# KiCad board frontpanel.kicad_pcb

Outline 150 x 100 mm; copper layers: Top, Bottom. Coordinates in mm from the lower left corner of the outline.
Outline path: 0,95 0,5 arc(1.46,1.46) 5,0 145,0 arc(148.54,1.46) 150,5 150,95 arc(148.54,98.54) 145,100 5,100 arc(1.46,98.54) 0,95

## Placement (name value [footprint] x y rotation side)
C1  4u7F  [C0805]  41 29 90 bottom
C2  4u7F  [C0805]  51 29 270 bottom
C3  1uF  [C0805]  7.1 17.3 180 bottom
C4  1uF  [C0805]  13.2 24 0 bottom
C5  1uF  [C0805]  19 11.7 180 bottom
C6  10uF  [C0805]  18.4 18.1 0 bottom
C7  100nF  [C0805]  22.5 18.1 180 bottom
C8  10nF  [C0805]  68.5 33.5 270 bottom
C9  10nF  [C0805]  56.5 33.5 270 bottom
C10  10nF  [C0805]  93.5 33.5 270 bottom
C11  10nF  [C0805]  81.5 33.5 270 bottom
CON1  USB-A-stacked  [USB-A-Stacked]  11.5 30 0 top
CON2  USB-A-stacked  [USB-A-Stacked]  138.5 50 0 top
CON3  USB-A-stacked  [USB-A-Stacked]  138.5 30 0 top
D1  PowerGood  [LED-0805]  5 77.9 0 top
D2  MainsOn  [LED-0805]  5 90.1 0 top
D3  LoadOn  [LED-0805]  113 22 0 top
D4  Charged  [LED-0805]  13.2 18.8 0 top
D5  Charging  [LED-0805]  13.2 15.6 0 top
D6  DIODE  [DO-221BC]  105.01 16.86 180 bottom
D7  DIODE  [DO-221BC]  124.06 14.06 270 bottom
D8  DIODE  [Diode-MiniMELF_Handsoldering]  113.9 41.1 180 bottom
D9  DIODE  [Diode-MiniMELF_Handsoldering]  123.5 41.1 180 bottom
ENC1  -  [RotaryEncoder]  62.5 38 0 top
ENC2  -  [RotaryEncoder]  87.5 38 0 top
F1  FUSE  [C1812]  73 20.5 180 bottom
F2  FUSE  [C1812]  54 20.5 180 bottom
F3  FUSE  [C1812]  35 20.5 180 bottom
JP1  JUMPER3  [Pin_Proto_Straight_1x03]  39.73 36.8 180 top
JP2  JUMPER  [Pin_Proto_Straight_1x02]  118.8 46.1 180 bottom
K1  TERMINAL  [terminal_3p5mm_3pin]  138.58 16.32 90 bottom
LOGO  -  [ruum42_14x14mm]  132 96.2 0 top
LOGO3  -  [LOGO3]  2.5 63 0 top
P1  INPUT_TERMINAL  [terminal_3p5mm_8pin]  22.5 51.5 90 bottom
P2  MH  [MountingHole_3mm]  5 5 0 top
P3  MH  [MountingHole_3mm]  145 5 0 top
P4  MH  [MountingHole_3mm]  5 70 0 top
P5  MH  [MountingHole_3mm]  145 70 0 top
P6  CONN_2  [Pin_Proto_Straight_1x02]  136.19 79.01 0 bottom
P7  CONN_2  [Pin_Proto_Straight_1x02]  141.27 79.01 180 bottom
P8  -  [BindingPost]  75 10 180 bottom
P9  OnOffSwitch  [RockerSwitch]  22.5 84.9 0 top
P10  -  [BindingPost]  113.1 10 180 bottom
P11  -  [LoadSwitch]  113 30 0 top
P12  CONN_2  [Pin_Proto_Straight_1x02]  103.23 30.19 270 top
P13  -  [BindingPost]  55.95 10 180 bottom
P14  -  [BindingPost]  36.9 10 180 bottom
P15  -  [BindingPost]  94.05 10 180 bottom
P16  CONN_2  [JST-PH-2-THM]  19 9.2 0 top
P17  -  [NHD-1.69-160128UGC3]  75 73 0 top
R1  1K  [R0805]  5 77.9 180 bottom
R2  1K  [R0805]  5 90.1 180 bottom
R3  10R 10W  [R_ceramic_48x9p5x9mm]  39.73 68.29 90 bottom
R4  270  [R0805]  13.2 18.8 180 bottom
R5  270  [R0805]  13.2 15.6 180 bottom
R6  1K  [R0805]  13.2 21.4 0 bottom
R7  10K  [R0805]  23.75 11.95 270 bottom
R8  10K  [R0805]  62.5 43 270 bottom
R9  10K  [R0805]  87.5 43 270 bottom
R10  10K  [R0805]  101 63.5 270 bottom
R11  10K  [R0805]  101 85.5 270 bottom
R12  10K  [R0805]  49 85.5 270 bottom
R13  10K  [R0805]  49 63.5 270 bottom
R14  10K  [R0805]  65 34.5 180 bottom
R15  10K  [R0805]  60 34.5 180 bottom
R16  10K  [R0805]  90 34.5 180 bottom
R17  10K  [R0805]  85 34.5 180 bottom
R18  1K  [R0805]  126.34 45.43 90 bottom
R19  10K  [R0805]  64.5 38.5 90 bottom
R20  10K  [R0805]  60.5 38.5 90 bottom
R21  10K  [R0805]  89.75 38.5 90 bottom
R22  10K  [R0805]  85.5 38.5 90 bottom
R23  200  [R0805]  111.2 45.2 270 bottom
S1  TAC_SWITCH  [TACTILE-PTH]  101 63.5 90 top
S2  TAC_SWITCH  [TACTILE-PTH]  101 85.5 90 top
S3  TAC_SWITCH  [TACTILE-PTH]  49 85.5 90 top
S4  TAC_SWITCH  [TACTILE-PTH]  49 63.5 90 top
U1  TPS2513  [SOT23-6]  11.5 31.5 270 bottom
U2  TPS2513  [SOT23-6]  138.5 51.5 270 bottom
U3  TPS2513  [SOT23-6]  138.5 31.5 270 bottom
U4  AZ1117  [SOT223]  46 31 180 bottom
U5  esp8266Feather  [featherEsp]  117 73.5 270 bottom
U6  MCP73833  [MSOP10]  19 14.9 90 bottom
U7  AD5274  [MSOP10]  19 21 90 bottom
U8  MCP23017  [SOIC28W]  102.5 43 180 bottom

## Library data of the parts
D8 D9 = -: Field4: A; Field5: K
P16 = -: Field4: -

## Footprints (pads in the part's own frame, mm; a bottom-side part is the same pattern mirrored in y, then rotated)
BindingPost
  round 11.2 smd: 1(0,0)
  rect 4x4 smd: 1(0,6)
C0805
  rect 1.1x1.4 smd: 1(-0.998,0) 2(0.998,0)
C1812
  rect 1.801x3.701 smd: 1(2.05,0) 2(-2.05,0)
Diode-MiniMELF_Handsoldering
  rect 3.299x1.699 smd: 1(-2.54,0) 2(2.54,0)
DO-221BC
  rect 2.5x1.52 smd: 1(2.17,0)
  rect 4.1x2.2 smd: 2(-2.05,0)
featherEsp
  round 1.524 hole 0.762: 1(19.05,10.16) 2(16.51,10.16) 3(13.97,10.16) 4(11.43,10.16) 5(8.89,10.16) 6(6.35,10.16) 7(3.81,10.16) 8(1.27,10.16) 9(-1.27,10.16) 10(-3.81,10.16) 11(-6.35,10.16) 12(-8.89,10.16) 13(-19.05,-10.16) 14(-16.51,-10.16) 15(-13.97,-10.16) 16(-11.43,-10.16) 17(-8.89,-10.16) 18(-6.35,-10.16) 19(-3.81,-10.16) 20(-1.27,-10.16) 21(1.27,-10.16) 22(3.81,-10.16) 23(6.35,-10.16) 24(8.89,-10.16) 25(11.43,-10.16) 26(13.97,-10.16) 27(16.51,-10.16) 28(19.05,-10.16)
JST-PH-2-THM
  round 1.422 hole 0.798: 1(-0.998,0) 2(0.998,0)
LED-0805
  rect 1.199x1.199 smd: 1(-1.049,0) 2(1.049,0)
LoadSwitch
  round 6.35 hole 6.35: 1(0,0)
MountingHole_3mm
  round 3 hole 3: (0,0)
MSOP10
  rect 0.249x0.998 smd: 1(-0.998,-2.111) 2(-0.498,-2.111) 3(0,-2.111) 4(0.498,-2.111) 5(0.998,-2.111) 6(0.998,2.111) 7(0.498,2.111) 8(0,2.111) 9(-0.498,2.111) 10(-0.998,2.111)
NHD-1.69-160128UGC3
  round 1.5 hole 0.8: 1(-11.43,22.5) 2(-11.43,19.96) 3(-8.89,22.5) 4(-8.89,19.96) 5(-6.35,22.5) 6(-6.35,19.96) 7(-3.81,22.5) 8(-3.81,19.96) 9(-1.27,22.5) 10(-1.27,19.96) 11(1.27,22.5) 12(1.27,19.96) 13(3.81,22.5) 14(3.81,19.96) 15(6.35,22.5) 16(6.35,19.96) 17(8.89,22.5) 18(8.89,19.96) 19(11.43,22.5) 20(11.43,19.96)
Pin_Proto_Straight_1x02
  round 2.032 hole 1.016: 1(-1.27,0)
  oval 2.032x2.032 hole 1.016: 2(1.27,0)
Pin_Proto_Straight_1x03
  round 2.032 hole 1.016: 1(-2.54,0) 2(0,0) 3(2.54,0)
R0805
  rect 1.1x1.4 smd: 1(-0.998,0) 2(0.998,0)
R_ceramic_48x9p5x9mm
  round 1.8 hole 0.9: 1(-29,0) 2(29,0)
RockerSwitch
  round 18.2 hole 18.2: 1(0,0)
RotaryEncoder
  round 1.524 hole 0.762: 1(-2.5,-7) 2(0,-7) 3(2.5,-7) 4(-2.5,7) 5(2.5,7)
  rect 2.3x2.9 hole 2.1x2.7: 6(-5.6,0) 7(5.6,0)
SOIC28W
  rect 1.999x0.599 smd: 1(-4.699,8.255) 2(-4.699,6.985) 3(-4.699,5.715) 4(-4.699,4.445) 5(-4.699,3.175) 6(-4.699,1.905) 7(-4.699,0.635) 8(-4.699,-0.635) 9(-4.699,-1.905) 10(-4.699,-3.175) 11(-4.699,-4.445) 12(-4.699,-5.715) 13(-4.699,-6.985) 14(-4.699,-8.255) 15(4.699,-8.255) 16(4.699,-6.985) 17(4.699,-5.715) 18(4.699,-4.445) 19(4.699,-3.175) 20(4.699,-1.905) 21(4.699,-0.635) 22(4.699,0.635) 23(4.699,1.905) 24(4.699,3.175) 25(4.699,4.445) 26(4.699,5.715) 27(4.699,6.985) 28(4.699,8.255)
SOT23-6
  rect 0.549x1.199 smd: 1(-0.95,-1.298) 2(0,-1.298) 3(0.95,-1.298) 4(0.95,1.298) 5(0,1.298) 6(-0.95,1.298)
SOT223
  rect 1.219x2.235 smd: 1(-2.311,-3.099) 2(0,-3.099) 3(2.311,-3.099)
  rect 3.599x2.2 smd: 4(0,3.099)
TACTILE-PTH
  round 1.88 hole 1.016: 1(-3.251,2.261) 2(3.251,2.261) 3(-3.251,-2.261) 4(3.251,-2.261)
terminal_3p5mm_3pin
  round 1.9 hole 1.1: 1(-3.5,0) 2(0,0) 3(3.5,0)
terminal_3p5mm_8pin
  round 1.9 hole 1.1: 1(-12.25,0) 2(-8.75,0) 3(-5.25,0) 4(-1.75,0) 5(1.75,0) 6(5.25,0) 7(8.75,0) 8(12.25,0)
USB-A-Stacked
  round 1.5 hole 0.92: 1(-3.5,5.58) 2(-1,5.58) 3(1,5.58) 4(3.5,5.58) 5(-3.5,-2.92) 6(-1,-2.92) 7(1,-2.92) 8(3.5,-2.92)
  round 3.4 hole 2.3: 9(-6.57,3.4) 10(-6.57,-3.4) 11(6.57,3.4) 12(6.57,-3.4)

## Nets
3.3V: F3.1 P1.2
3V3Reg: C2.1 C6.1 C7.1 D8.2 P12.1 P17.2 R8.2 R9.2 R10.1 R11.1 R12.1 R13.1 R19.2 R20.2 R21.2 R22.2 U4.2 U4.4 U7.1 U7.7 U7.10 U8.9 U8.18
5V: C1.1 C3.1 CON1.1 CON1.5 CON2.1 CON2.5 CON3.1 CON3.5 F2.1 JP1.3 JP2.1 P1.3 R4.1 R5.1 U1.5 U2.5 U3.5 U4.3 U6.1 U6.2
5VSB: P1.7 R2.1
12V: F1.1 JP1.1 P1.4
-5V: P1.5
-12V: P1.6
GND: C1.2 C2.2 C3.2 C4.1 C5.2 C6.2 C7.2 C8.2 C9.2 C10.2 C11.2 CON1.4 CON1.8 CON1.9 CON1.10 CON1.11 CON1.12 CON2.4 CON2.8 CON2.9 CON2.10 CON2.11 CON2.12 CON3.4 CON3.8 CON3.9 CON3.10 CON3.11 CON3.12 D1.2 D2.2 D6.1 D9.1 ENC1.2 ENC1.4 ENC1.6 ENC1.7 ENC2.2 ENC2.4 ENC2.6 ENC2.7 K1.3 P1.1 P15.1 P16.1 P17.1 P17.5 P17.6 P17.7 P17.8 P17.9 P17.10 P17.11 P17.12 P17.15 P17.18 P17.19 R3.2 R6.1 R7.2 R18.2 S1.1 S1.2 S2.1 S2.2 S3.1 S3.2 S4.1 S4.2 U1.2 U2.2 U3.2 U4.1 U5.16 U6.5 U7.4 U7.6 U8.10 U8.15 U8.16 U8.17
A1: C9.1 R15.2 U8.22
A2: C11.1 R17.2 U8.25
ADJ: D6.2 D7.1 K1.1 P10.1
B1: C8.1 R14.1 U8.21
B2: C10.1 R16.1 U8.24
But1: R10.2 S1.3 S1.4 U8.1
But2: R11.2 S2.3 S2.4 U8.2
But3: R12.2 S3.3 S3.4 U8.3
But4: R13.2 S4.3 S4.4 U8.4
CS: P17.17 U5.7
loadOn: D3.2 D8.1 D9.2 R18.1 R23.2
MOSI: P17.13 U5.4
PG: P1.8 R1.1
RES: P17.16 U5.8
RS: P17.4 U5.9
Rx: P7.2 U5.26
SCL: P6.2 U5.2 U7.9 U8.12
SCLK: P17.14 U5.3
SDA: P6.1 U5.1 U7.8 U8.13
SW1: ENC1.5 R8.1 U8.23
SW2: ENC2.5 R9.1 U8.26
Tx: P7.1 U5.27
Net-(C4-Pad2): C4.2 U7.5
Net-(C5-Pad1): C5.1 P16.2 U6.9 U6.10
Net-(CON1-Pad2): CON1.2 U1.6
Net-(CON1-Pad3): CON1.3 U1.1
Net-(CON1-Pad6): CON1.6 U1.4
Net-(CON1-Pad7): CON1.7 U1.3
Net-(CON2-Pad2): CON2.2 U2.6
Net-(CON2-Pad3): CON2.3 U2.1
Net-(CON2-Pad6): CON2.6 U2.4
Net-(CON2-Pad7): CON2.7 U2.3
Net-(CON3-Pad2): CON3.2 U3.6
Net-(CON3-Pad3): CON3.3 U3.1
Net-(CON3-Pad6): CON3.6 U3.4
Net-(CON3-Pad7): CON3.7 U3.3
Net-(D1-Pad1): D1.1 R1.2
Net-(D2-Pad1): D2.1 R2.2
Net-(D3-Pad1): D3.1 P12.2
Net-(D4-Pad1): D4.1 R4.2
Net-(D4-Pad2): D4.2 U6.4
Net-(D5-Pad1): D5.1 R5.2
Net-(D5-Pad2): D5.2 U6.3
Net-(D7-Pad2): D7.2 K1.2
Net-(ENC1-Pad1): ENC1.1 R15.1 R20.1
Net-(ENC1-Pad3): ENC1.3 R14.2 R19.1
Net-(ENC2-Pad1): ENC2.1 R17.1 R22.1
Net-(ENC2-Pad3): ENC2.3 R16.2 R21.1
Net-(F1-Pad2): F1.2 P8.1
Net-(F2-Pad2): F2.2 P13.1
Net-(F3-Pad2): F3.2 P14.1
Net-(JP1-Pad2): JP1.2 R3.1
Net-(JP2-Pad2): JP2.2 U5.10
Net-(P9-Pad1): P9.1
Net-(P11-Pad1): P11.1
Net-(P17-Pad3): P17.3
Net-(P17-Pad20): P17.20
Net-(R6-Pad2): R6.2 U7.3
Net-(R7-Pad1): R7.1 U6.8
Net-(R23-Pad1): R23.1 U8.5
Net-(U5-Pad5): U5.5
Net-(U5-Pad6): U5.6
Net-(U5-Pad11): U5.11
Net-(U5-Pad12): U5.12
Net-(U5-Pad13): U5.13
Net-(U5-Pad14): U5.14
Net-(U5-Pad15): U5.15
Net-(U5-Pad17): U5.17
Net-(U5-Pad18): U5.18
Net-(U5-Pad19): U5.19
Net-(U5-Pad20): U5.20
Net-(U5-Pad21): U5.21
Net-(U5-Pad22): U5.22
Net-(U5-Pad23): U5.23
Net-(U5-Pad24): U5.24
Net-(U5-Pad25): U5.25
Net-(U5-Pad28): U5.28
Net-(U6-Pad6): U6.6 U7.2
Net-(U6-Pad7): U6.7
Net-(U8-Pad6): U8.6
Net-(U8-Pad7): U8.7
Net-(U8-Pad8): U8.8
Net-(U8-Pad11): U8.11
Net-(U8-Pad14): U8.14
Net-(U8-Pad19): U8.19
Net-(U8-Pad20): U8.20
Net-(U8-Pad27): U8.27
Net-(U8-Pad28): U8.28

## Via types
v1: diameter 0.6, hole 0.4, Top to Bottom, 31 vias

## Routing (per net, layer and track width the routed paths; a pad name or vN(x,y) marks a point on that pad's centre or on a via; arc(x,y) is an arc through that point)
3.3V: length 30.8
  Bottom w1.8: P1.2 29.75,42.75 32.95,39.55 F3.1
3V3Reg: length 353.5
  Top w0.25: v1(22.96,22.19) 23.09,22.06 44.87,22.06 46.01,23.21 v1(46.01,26.06)
  Top w0.5: v1(101.2,47.34) 101.07,47.46 v1(101.07,66.26) v1(101.07,88.23)
  Bottom w0.25: 19,20 19,21 19.5,21.5 U7.7 22.27,21.5 v1(22.96,22.19) ; 19,20 U7.10 ; 19,20 U7.1 16.89,18.41 17.2,18.1 C6.1 ; U7.10 22.6,20 23.5,19.1 C7.1 ; U7.10 21.3,20 ; v1(46.01,26.06) 46,26.08 U4.2
  Bottom w0.5: 89.75,41.25 93.75,41.25 96.44,38.56 U8.18 ; 111.35,41.09 D8.2 111.35,41.09 ; 111.35,41.09 U8.9 104.5,41.09 ; C2.1 52.11,30 56.24,25.87 96.5,25.87 102.09,31.46 P12.1 103.23,39.84 104.48,41.09 104.5,41.09 ; 104.5,41.09 104.5,41.11 101.2,44.42 v1(101.2,47.34) ; v1(101.07,66.26) 101,66.19 R10.1 ; v1(101.07,88.23) 101,88.16 R11.1
  Bottom w1: 42,64.5 42,64.5 R13.1 ; 42,86.5 42,86.5 R12.1 ; 46,42 46,42 R8.2 ; U4.2 U4.4 49.4,34.1 51,32.5 C2.1 ; R9.2 86,42 85.5,41.5 R22.2 R21.2 89.75,41.25 89,42 R9.2 ; R9.2 R8.2 ; R8.2 63.5,42 64.5,41 R19.2 R20.2 60.5,41 61.5,42 R8.2
  Bottom w1.8: P17.2 44.96,92.96 42,90 42,54 46,50 U4.4
5V: length 300.6
  Bottom w0.25: R5.1 14.2,14.7 14.5,14.4 U6.2 U6.1
  Bottom w0.5: U2.5 135,51.5 ; U1.5 8,31.5 ; U3.5 135,31.5
  Bottom w1: U4.3 43.59,28 C1.1 37.19,28 37.19,28 37.5,28 37.19,28 ; 14.2,17.3 14.1,17.3 14.2,17.3 ; 14.2,17.3 R5.1 ; 14.2,17.3 C3.1 8,17.4 CON1.5 ; 14.2,17.3 R4.1
  Bottom w1.8: CON2.1 135,50 ; CON1.5 CON1.1 8,41 13.25,46.25 P1.3 34.75,46.25 37.19,43.81 JP1.3 37.19,26.81 43.5,20.5 F2.1 51.95,22.6 53.44,24.1 80.11,24.1 84.31,19.91 84.31,5.81 87.99,2.12 133.71,2.12 144.25,12.67 144.25,20.92 141.58,23.59 137.39,23.59 135,25.98 CON3.5 CON3.1 CON2.5 135,50 ; 135,50 123.8,50 120.07,46.27 JP2.1
5VSB: length 40
  Bottom w1: R2.1 6,84.5 25.6,64.9 25.6,62 23.85,60.25 P1.7
12V: length 174.5
  Bottom w1.8: F1.1 67.5,20.5 65.5,18.5 65.5,6 60.8,1.3 10.96,1.3 9.69,2.57 9.69,7.84 5.03,12.5 5,12.5 1.5,16 1.5,41.5 9.75,49.75 P1.4 38.75,49.75 42.27,46.23 JP1.1
GND: length 175.8
  Bottom w0.25: 19.4,15.8 19.3,15.8 19.4,15.9 U6.5 ; v1(17.95,21.49) 17.94,21.5 U7.4 ; v1(19.92,22.13) 20.05,22 U7.6
  Bottom w0.5: 141,51.5 142,52.5 CON2.4 ; 141,51.5 142,50.5 CON2.8 ; 141,51.5 U2.2 ; 141,31.5 142,32.5 CON3.4 ; 141,31.5 142,30.5 CON3.8 ; 141,31.5 U3.2 ; 14.5,31.5 15,32 CON1.4 ; 14.5,31.5 15,31 CON1.8 ; 14.5,31.5 U1.2 ; v1(108.69,39.84) 108.67,39.83 U8.10 ; C10.2 95,32.5 v1(96,33.5) 97.25,34.75 U8.15 U8.16 U8.17
  Bottom w1: ENC2.6 80.5,38 79.5,37 79.5,33 80,32.5 C11.2 ; 131.53,46.2 CON2.10 ; CON2.10 131.76,46.43 R18.2 ; CON2.10 131.93,43.65 129.38,41.1 D9.1 126.43,41.1 ; CON1.10 6.1,25.43 C3.2 ; CON1.8 12.2,24.28 C4.1 R6.1 ; ENC1.2 62.5,29.9 63.22,29.18 66.91,29.18 68.5,30.77 C8.2 ; v1(48.24,26) 48.31,26.08 U4.1 48.41,28 C2.2 ; v1(41,31.33) 41,31.33 C1.2 ; v1(23.72,9.68) 23.75,9.71 R7.2 ; v1(57.89,33.11) 57.28,32.5 C9.2 ; C7.2 C6.2 19.4,14.2 18,12.8 C5.2 P16.1
  Bottom w1.8: 104.03,19.82 102.84,18.62 D6.1 ; 104.03,19.82 94.89,19.82 94.05,18.98 P15.1 P15.1 ; 104.03,19.82 K1.3
A1: length 65.9
  Bottom w0.5: U8.22 99.37,43.64 101,42 101,33.5 95.5,28 60,28 58,30 58,31.5 59,32.5 R15.2
  Bottom w1: R15.2 59,34.5 C9.1
A2: length 22.8
  Top w0.5: v1(90.5,43) v1(84,36.5)
  Bottom w0.5: v1(90.5,43) 94.94,47.44 U8.25 ; v1(84,36.5) 84,36.5 R17.2
  Bottom w1: R17.2 84,34.5 C11.1
ADJ: length 47.8
  Bottom w1.8: 114.1,17 P10.1 ; P10.1 112.24,16.86 D6.2 117.71,16.86 122.66,11.9 124.04,11.9 D7.1 137.66,11.89 K1.1 ; P10.1 P10.1
B1: length 48.4
  Bottom w0.5: U8.21 99.13,42.36 100,41.5 100,34 95,29 80,29 74.5,34.5 C8.1
  Bottom w1: C8.1 68.5,34.5 R14.1
B2: length 16.9
  Top w0.5: v1(95.5,37.5) v1(95.5,41.5)
  Bottom w0.5: v1(95.5,37.5) 95.5,36 94,34.5 C10.1 93.5,34.5 ; v1(95.5,41.5) 95.5,45 96.68,46.17 U8.24
  Bottom w1: C10.1 93.5,34.5 R16.1
But1: length 21.1
  Bottom w0.5: S1.3 103.26,53.15 105.15,51.25 U8.1
  Bottom w1: 103.26,62.5 103.5,62.5 103.26,62.5 103.26,62.5 R10.2
  Bottom w1.8: S1.3 S1.4
But2: length 50.1
  Bottom w0.5: S2.3 103.26,77.34 96.5,70.58 96.5,58.39 104.9,49.98 U8.2
  Bottom w1: 103.26,84.5 103,84.5 103.26,84.5 103.26,84.5 R11.2
  Bottom w1.8: S2.3 S2.4
But3: length 94.1
  Bottom w0.5: U8.3 104.78,48.72 99,54.5 54,54.5 53.5,55 53.5,80.5 51.75,82.25 S3.3
  Bottom w1: 51.26,84.5 51,84.5 51.26,84.5 51.26,84.5 R12.2
  Bottom w1.8: S3.3 S3.4
But4: length 73.4
  Bottom w0.5: U8.4 104.06,47.44 98.5,53 53.5,53 51.26,55.24 S4.3
  Bottom w1: 51.26,62.5 51.5,62.5 51.26,62.5 51.26,62.5 R13.2
  Bottom w1.8: S4.3 S4.4
CS: length 51.3
  Bottom w0.5: U5.7 110.5,73.35 110.5,88.5 102,97 85,97 83.89,95.89 P17.17
loadOn: length 40.5
  Top w1: v1(115.29,22.06) 115.23,22 D3.2
  Bottom w1: 116.46,41.12 D8.1 ; D8.1 113.34,44.2 R23.2 ; D8.1 D9.2 ; v1(115.29,22.06) 120.96,27.73 D9.2 ; D9.2 124.29,44.43 R18.1
MOSI: length 66.6
  Bottom w0.5: U5.4 111.5,66.73 111.5,89 102.5,98 81,98 78.81,95.81 P17.13 78.81,95.56
PG: length 23.6
  Bottom w1: R1.1 6,75.8 18.05,63.75 P1.8
RES: length 48.3
  Bottom w0.5: 90,94.25 82.5,94.25 81.35,93.1 P17.16 ; 90,94.25 90.25,94.25 ; 90,94.25 103.05,94.25 109.45,87.85 109.45,74.84 U5.8
RS: length 57.8
  Bottom w0.5: U5.9 108.44,76.36 108.44,87.09 104.12,91.41 67.67,91.41 66.11,92.96 P17.4 66.11,92.89
Rx: length 25.8
  Bottom w0.5: 127.16,59.58 U5.26 128.73,59.53 130,60.8 130,67 140,77 P7.2
SCL: length 191.4
  Top w0.25: v1(23.03,20.48) 23.22,20.67 89.58,20.67 105.01,36.1 v1(105.01,37.3)
  Top w0.5: v1(105.01,37.3) 105.01,55.08 106.84,56.92 U5.2
  Bottom w0.25: v1(23.03,20.48) 23,20.5 U7.9
  Bottom w0.5: P6.2 137.46,94.64 135,97.1 124.7,97.1 121.9,94.3 121.9,72 106.89,56.99 U5.2 ; v1(105.01,37.3) 105.03,37.28 U8.12 ; U5.2 106.84,57.05 ; U5.2 107.04,56.99
SCLK: length 76.8
  Bottom w0.5: 89.5,99 80.5,99 77.5,96 77.5,94 78.54,92.96 P17.14 78.79,92.96 ; 89.5,99 90,99 ; 89.5,99 103,99 112.5,89.5 112.5,65.19 U5.3
SDA: length 186.8
  Top w0.25: v1(103.99,36.03) 89.26,21.3 v1(22.96,21.3)
  Top w0.5: v1(109.71,37.3) 109.71,52.54 107.8,54.45 U5.1
  Bottom w0.25: v1(103.99,36.03) 104.01,36.02 U8.13 ; v1(22.96,21.3) 22.66,21 U7.8
  Bottom w0.5: P6.1 134.92,93.28 133.5,94.7 125.5,94.7 124.2,93.4 124.2,71.9 106.84,54.54 U5.1 106.84,54.76 ; v1(109.71,37.3) 108.42,36.02 U8.13
SW1: length 91.1
  Top w0.5: v1(58.5,40.5) 63,45 ENC1.5
  Bottom w0.5: v1(58.5,40.5) 55.5,40.5 54.5,39.5 54.5,30.5 58,27 96,27 102,33 102,42.5 99.59,44.91 U8.23
  Bottom w1: ENC1.5 63,45 62.5,44.5 R8.1
SW2: length 12.5
  Bottom w0.5: ENC2.5 93.72,48.72 U8.26
  Bottom w1: ENC2.5 88,45 87.5,44.5 R9.1
Tx: length 30.1
  Bottom w0.5: 127.23,56.99 U5.27 129.99,56.99 132.9,59.9 132.9,66.6 142.54,76.24 P7.1
Net-(C4-Pad2): length 3.5
  Bottom w0.25: C4.2 16.2,22 U7.5
Net-(C5-Pad1): length 6.6
  Bottom w0.25: 20.51,11.7 C5.1 20.8,11.7 21.11,12.01 U6.10 U6.9
  Bottom w1: P16.2 C5.1
Net-(CON1-Pad2): length 3.3
  Bottom w0.5: CON1.2 10.2,35.28 U1.6
Net-(CON1-Pad3): length 3.3
  Bottom w0.5: CON1.3 12.8,35.28 U1.1
Net-(CON1-Pad6): length 3.6
  Bottom w0.5: CON1.6 10.2,27.38 U1.4
Net-(CON1-Pad7): length 3.6
  Bottom w0.5: CON1.7 12.8,27.38 U1.3
Net-(CON2-Pad2): length 3.3
  Bottom w0.5: CON2.2 137.2,55.28 U2.6
Net-(CON2-Pad3): length 3.3
  Bottom w0.5: CON2.3 139.8,55.28 U2.1
Net-(CON2-Pad6): length 3.6
  Bottom w0.5: CON2.6 137.2,47.38 U2.4
Net-(CON2-Pad7): length 3.6
  Bottom w0.5: CON2.7 139.8,47.38 U2.3
Net-(CON3-Pad2): length 3.3
  Bottom w0.5: CON3.2 137.2,35.28 U3.6
Net-(CON3-Pad3): length 3.3
  Bottom w0.5: CON3.3 139.8,35.28 U3.1
Net-(CON3-Pad6): length 3.6
  Bottom w0.5: CON3.6 137.2,27.38 U3.4
Net-(CON3-Pad7): length 3.6
  Bottom w0.5: CON3.7 139.8,27.38 U3.3
Net-(D1-Pad1): length 3
  Top w1: v1(2.5,77.9) D1.1
  Bottom w1: R1.2 v1(2.5,77.9)
Net-(D2-Pad1): length 3
  Top w1: v1(2.5,90.1) D2.1
  Bottom w1: R2.2 v1(2.5,90.1)
Net-(D3-Pad1): length 11.7
  Top w1: v1(110.59,22.06) 110.66,22 D3.1
  Bottom w1: v1(110.59,22.06) 109.83,22.06 103.23,28.67 P12.2
Net-(D4-Pad1): length 2.4
  Top w0.5: v1(11,18.8) D4.1
  Bottom w0.5: R4.2 v1(11,18.8)
Net-(D4-Pad2): length 5.8
  Top w0.25: v1(15.3,18.8) D4.2
  Bottom w0.25: v1(15.3,18.8) 15.8,18.8 16,18.6 16,15.6 16.2,15.4 U6.4
Net-(D5-Pad1): length 2.2
  Top w0.5: v1(11.1,15.6) D5.1
  Bottom w0.5: R5.2 v1(11.1,15.6)
Net-(D5-Pad2): length 2.9
  Top w0.25: v1(15.3,15.6) D5.2
  Bottom w0.25: v1(15.3,15.6) 16,14.9 U6.3
Net-(D7-Pad2): length 14.6
  Bottom w1.8: D7.2 124.26,16.32 K1.2
Net-(ENC1-Pad1): length 7.1
  Bottom w1: R20.1 60.5,36.5 61,36 R15.1 61,32 ENC1.1
Net-(ENC1-Pad3): length 7.1
  Bottom w1: R19.1 64.5,36.5 64,36 R14.2 64,32 ENC1.3
Net-(ENC2-Pad1): length 7.1
  Bottom w1: R22.1 85.5,36.5 86,36 R17.1 86,32 ENC2.1
Net-(ENC2-Pad3): length 7.2
  Bottom w1: R21.1 89.75,36.75 89,36 R16.2 89,32 ENC2.3
Net-(F1-Pad2): length 11.9
  Bottom w1.8: 74.05,16.95 P8.1 ; P8.1 75.05,16.05 F1.2 ; P8.1 P8.1
Net-(F2-Pad2): length 11.9
  Bottom w1.8: 55,16.95 P13.1 ; P13.1 56.05,16.1 F2.2 ; P13.1 P13.1
Net-(F3-Pad2): length 11.9
  Bottom w1.8: 35.95,16.95 P14.1 ; P14.1 37.05,16.15 F3.2 ; P14.1 P14.1
Net-(JP1-Pad2): length 2.5
  Bottom w1.8: JP1.2 R3.1
Net-(JP2-Pad2): length 40
  Bottom w0.5: JP2.2 110.96,52.67 106.15,52.67 105.13,53.69 105.13,75.78 106.66,77.31 U5.10
Net-(R6-Pad2): length 2.9
  Bottom w0.25: R6.2 14.6,21 U7.3
Net-(R7-Pad1): length 4.3
  Bottom w0.25: R7.1 23.75,14.35 23.2,14.9 U6.8
Net-(R23-Pad1): length 4
  Bottom w0.5: 110.58,46.17 110.6,46.2 ; R23.1 111.18,46.17 U8.5
Net-(U6-Pad6): length 19.2
  Bottom w0.25: U6.6 24,15.9 25.1,17 25.1,21.4 23.5,23 19.6,23 19,22.4 19,21.64 17.87,20.5 U7.2

## Copper pours and planes (outline as drawn; the poured copper is in the pictures)
GND on Top: 152.5,-1 -2,-1.5 -1.5,100.5 152,101

## Text on the board
B.SilkS: i2c | serial | SDA | SCL | Rx | Tx | PURPLE | YELLOW | ORANGE | BLACK | WHITE | GREY | BLUE | RED | PG | 5V | -5V | 12V | 3.3V | GND | 5VSB | -12V | frontpanel, Rev. A, 17.08.2016 | Ext. V | ADJ
F.SilkS: Power / good | Mains / on | 3.3V | 5V | 12V | GND | ADJ
